# Altium PCB Fri3D_2020_00.PcbDoc (part 2 of 2)
Units mm, origin at the board's own origin, x right, y up, seen from the top; angles counter-clockwise.
Board outline 86 x 86 mm, 2 copper layers (Top Layer, Bottom Layer), stack 1.571 mm thick; 115 components, 82 nets, 498 pads, 254 vias.
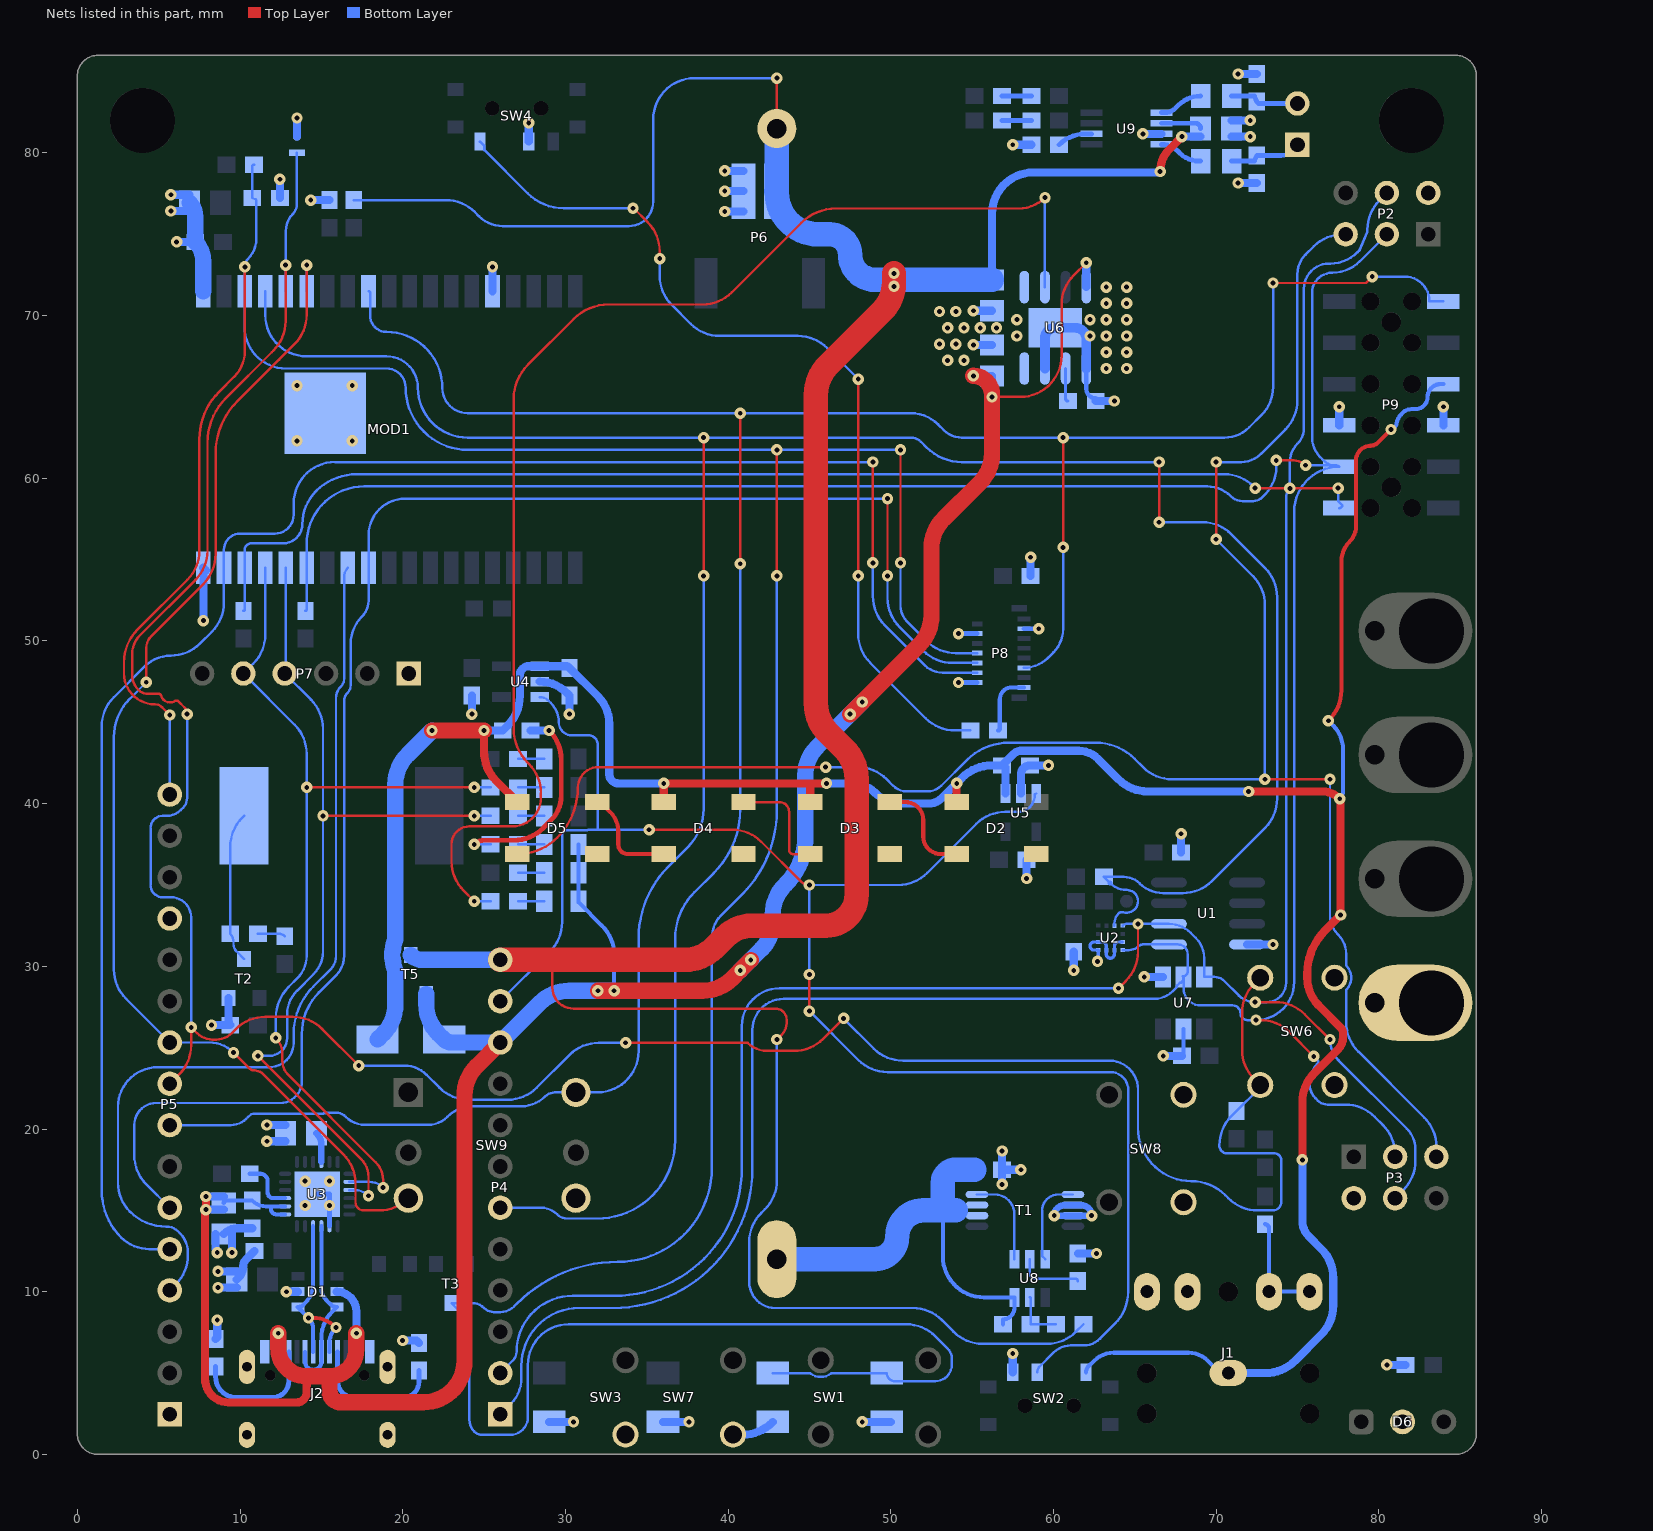
[diagram p2: the nets of this part, all layers, seen from the top]

## Via types
v1: diameter 0.7, hole 0.3, Top Layer to Bottom Layer, tented top, 254 vias

## Nets (pads, with @x,y where several pads share a name; then routed paths per layer and width w, separated by ;. In a path a pad name is that pad's centre, name@x,y a point inside that pad or via, vN(x,y) a via of type N, cw(c..) or ccw(c..) an arc to the next point about the centre after c; other vN are vias at no path point) (continued)
ESP.IO33: MOD1.9 P4.6 P8.11 P9.12 | length 155.7
  Top Layer w0.15: v1(40.75,54.75) v1(40.75,64) ; v1(60.6,55.75) v1(60.6,62.5) ; v1(73.5,72.006) 79.206,72.006 v1(79.6,72.4)
  Bottom Layer w0.15: MOD1.9@17.902,71.5 cw(c17.902,71.402) 18,71.402 18,70 ccw(c19,70) 19,69 cw(c19,65.567) 22.433,65.567 ccw(c24,65.567) 24,64 v1(40.75,64) 51.25,64 cw(c51.25,61.655) 52.908,63.313 53.261,62.961 ccw(c54.373,64.073) 54.373,62.5 v1(60.6,62.5) 70.5,62.5 ccw(c70.5,64.673) 72.036,63.136 72.79,63.89 ccw(c71.077,65.604) 73.5,65.604 73.5,72.037 v1(73.5,72.006) ; P4.6@26,15.16 28.51,15.16 cw(c28.51,13.76) 29.5,14.75 ccw(c30.104,15.354) 30.104,14.5 31.947,14.5 ; 31.948,14.5 ccw(c31.948,19.302) 36.75,19.302 36.75,31.698 cw(c40.79,31.698) 37.933,34.555 39.127,35.749 ccw(c35.21,39.666) 40.75,39.666 v1(40.75,54.75) ; P8.11@58.187,48.35 ccw(c58.187,50.432) 59.66,48.96 60,49.3 ccw(c58.551,50.749) 60.6,50.749 v1(60.6,55.75) ; v1(79.6,72.4) 81.583,72.4 cw(c81.583,70.87) 83.113,70.87 P9.12@83.97,70.87
ESP.IO34: MOD1.6 P5.10 SW9.3 | length 75.3
  Top Layer w0.15: v1(4.239,47.461) 4.239,49.587 cw(c5.21,49.587) 4.524,50.274 7.719,53.469 ccw(c5.837,55.353) 8.5,55.353 ; 8.5,55.354 8.5,61.546 ; 8.5,61.548 cw(c12.972,61.548) 9.81,64.71 12.4,67.3 13.356,68.256 ccw(c11.56,70.052) 14.1,70.052 v1(14.1,73.1) ; v1(9.6,24.7) 10.559,23.741 ccw(c10.9,24.083) 10.9,23.6 cw(c10.9,22.876) 11.412,23.388 16.356,18.444 cw(c14.56,16.648) 17.1,16.648 17.1,15.5 ccw(c17.6,15.5) 17.6,15 18.548,15 ccw(c18.548,17.54) 20.344,15.744 SW9.3@20.35,15.75
  Bottom Layer w0.15: v1(4.239,47.461) 3.22,46.441 ccw(c5.561,44.1) 2.25,44.1 2.25,29.802 ccw(c4.79,29.802) 2.994,28.006 P5.10@5.68,25.32 8.103,25.32 cw(c8.103,23.203) v1(9.6,24.7) ; MOD1.6@14.092,71.5 14.1,71.508 v1(14.1,73.1)
ESP.IO36: MOD1.4 P5.8 R6.2 SW9.6 U2.12 | length 175.9
  Top Layer w0.15: v1(38.5,54) v1(38.5,62.5) ; v1(66.5,57.3) v1(66.5,61)
  Bottom Layer w0.15: P5.8@5.68,20.24 9.438,20.24 ccw(c9.438,21.573) 10.38,20.63 10.499,20.749 cw(c11.104,20.146) 10.816,20.95 15.125,20.95 15.133,20.958 ccw(c15,22.05) 15.328,21 15.905,21 cw(c15.905,20.167) 16.494,20.756 16.5,20.75 ccw(c17.707,21.957) 17.707,20.25 21.543,20.25 ccw(c21.543,21.957) 22.75,20.75 22.756,20.756 cw(c24.311,19.201) 24.311,21.4 27.301,21.4 ccw(c27.301,23.449) 28.75,22 cw(c29.354,21.396) 29.354,22.25 SW9.6@30.65,22.25 31.96,22.25 ccw(c31.96,24.79) 34.5,24.79 34.5,31.698 cw(c40.79,31.698) 36.342,36.146 37.536,37.34 ccw(c35.21,39.666) 38.5,39.666 v1(38.5,54) ; MOD1.4@11.552,71.5 11.552,70.04 ccw(c14.092,70.04) 14.092,67.5 19,67.5 cw(c19,65.567) 20.933,65.567 ccw(c24,65.567) 24,62.5 v1(38.5,62.5) 51.25,62.5 cw(c51.25,61.655) 51.847,62.253 52.2,61.9 ccw(c54.373,64.073) 54.373,61 v1(66.5,61) ; U2.12@63.75,32.5 63.75,32.646 cw(c64.604,32.646) 64,33.25 64.003,33.253 cw(c64.216,33.041) 64.301,33.329 ccw(c64.5,34) 64.5,34.7 cw(c64.5,36.149) 63.476,35.124 R6.2@63.1,35.5 64.335,35.5 cw(c64.335,34.135) 65.3,35.1 ccw(c66.749,36.549) 66.749,34.5 67.948,34.5 ccw(c67.948,37.04) 69.744,35.244 73.006,38.506 ccw(c71.21,40.302) 73.75,40.302 73.75,52.698 ccw(c71.21,52.698) 73.006,54.494 70.944,56.556 ccw(c69.148,54.76) 69.148,57.3 v1(66.5,57.3)
ESP.IO39: MOD1.5 P1.2 P5.9 R1.2 SW6.1 | length 165.7
  Top Layer w0.15: P5.9@5.68,22.78 6.256,23.356 ccw(c4.46,25.152) 7,25.152 v1(7,26.25) 7.361,25.889 ccw(c8.3,26.828) 8.3,25.5 8.534,25.5 ccw(c8.534,26.866) 9.5,25.9 9.756,26.156 cw(c11.552,24.36) 11.552,26.9 13.248,26.9 cw(c13.248,24.36) 15.044,26.156 v1(17.3,23.9) ; v1(6.75,45.5) ccw(c6.146,45.5) 6.573,45.927 6.25,46.25 ccw(c5.043,45.043) 6.196,46.302 ccw(c6.094,46.192) 6.013,46.317 cw(c5.7,46.8) 5.146,46.646 ccw(c5.001,46.606) 5.043,46.75 4.354,46.75 cw(c4.354,47.604) 3.75,47 cw(c4.671,47.921) 3.369,47.921 3.369,47.985 3.369,49.183 cw(c5.024,49.183) 3.854,50.354 7.256,53.756 ccw(c5.46,55.552) 8,55.552 8,62.187 ; 8,62.188 cw(c11.892,62.188) 9.14,64.94 11.95,67.75 12.056,67.856 ccw(c10.26,69.652) 12.8,69.652 v1(12.8,73.1) ; v1(33.7,25.3) 41.2,25.3 ccw(c42.407,26.507) 42.407,24.8 44.048,24.8 ccw(c44.048,27.34) 45.844,25.544 v1(47.1,26.8) ; SW6.1@72.714,22.698 72.344,23.068 cw(c74.14,24.864) 71.6,24.864 71.6,27.136 cw(c74.14,27.136) 72.344,28.932 SW6.1@72.714,29.302
  Bottom Layer w0.15: v1(6.75,45.5) 6.75,40.354 cw(c5.896,40.354) 6.5,39.75 6.354,39.604 cw(c5.5,40.457) 5.5,39.25 5.25,39.25 ccw(c5.25,38.5) 4.5,38.5 4.5,35 ccw(c5.25,35) 5.25,34.25 5.75,34.25 cw(c5.75,33) 7,33 v1(7,26.25) ; MOD1.5@12.822,71.5 12.822,75.222 cw(c14.271,75.222) 13.246,76.246 13.25,76.25 ccw(c12.646,76.854) 13.5,76.854 P1.2@13.5,80 ; v1(17.3,23.9) 20.1,23.9 cw(c20.1,21.969) 21.466,23.334 22.256,22.544 ccw(c24.052,24.34) 24.052,21.8 26.448,21.8 ccw(c26.448,24.34) 28.244,22.544 30.256,24.556 cw(c32.052,22.76) 32.052,25.3 v1(33.7,25.3) ; v1(47.1,26.8) 48.956,24.944 ccw(c50.752,26.74) 50.752,24.2 63.445,24.2 cw(c63.445,22.445) 65.2,22.445 65.2,20.073 ccw(c68.473,20.073) 68.472,16.8 ; 68.473,16.8 cw(c68.473,13.837) 70.568,15.932 70.569,15.931 70.756,15.744 ccw(c72.552,17.54) 72.552,15 73.5,15 ccw(c73.5,15.5) 74,15.5 74,18.1 ccw(c73.6,18.1) 73.6,18.5 70.7,18.5 cw(c70.7,19) 70.2,19 cw(c72.735,19) 70.942,20.792 R1.2@71.25,21.1 72.619,22.469 ccw(c72.391,22.698) SW6.1@72.714,22.698
ESP.RESET: C5.1 MOD1.3 P5.16 P8.8 R13.2 SW1.1 T3.3 | length 229.3
  Top Layer w0.15: 2.869,48.006 ccw(c4.775,48.009) 4.776,46.103 cw(c4.775,45.491) 5.208,45.924 v1(5.68,45.452) ; 2.869,48.007 2.869,48.688 cw(c5.719,48.688) 3.704,50.704 6.761,53.761 ccw(c4.98,55.544) 7.5,55.544 7.5,62.398 ; 7.5,62.399 cw(c11.605,62.399) 8.702,65.302 9.65,66.25 ccw(c8.081,67.819) 10.3,67.819 v1(10.3,73) ; v1(43,54) v1(43,61.75) ; v1(50.6,54.8) v1(50.6,61.75)
  Bottom Layer w0.15: P5.16@5.68,40.56 v1(5.68,45.452) cw(c5.748,45.452) v1@5.7,45.5 ; R13.2@10.87,79.281 ccw(c10.87,79.161) 10.75,79.161 C5.1@10.75,77.229 10.957,77.143 11,77.088 cw(c10.924,77.081) 11,77.081 11,74.707 cw(c9.293,74.707) 10.5,73.5 ccw(c11.026,72.974) 10.282,72.974 MOD1.3@10.282,71.5 10.282,69.29 ccw(c12.822,69.29) 12.822,66.75 19,66.75 cw(c19,65.567) 20.183,65.567 ccw(c24,65.567) 24,61.75 v1(43,61.75) v1(50.6,61.75) ; SW1.1@42.75,5 44.987,5 cw(c44.988,4.85) 45.078,4.969 ccw(c45.698,5.786) 46.318,4.969 cw(c46.408,4.85) 46.409,5 SW1.1@49.75,5 ccw(c50.25,5) 50.25,4.5 52.75,4.5 ccw(c52.75,5.5) 53.75,5.5 53.75,5.896 ccw(c52.896,5.896) 53.5,6.5 52.744,7.256 ccw(c50.948,5.46) 50.948,8 30.199,8 ccw(c30.199,5.501) 27.7,5.501 27.7,2.3 cw(c26.6,2.3) 26.6,1.2 24.883,1.2 cw(c24.883,1.883) 24.4,1.4 cw(c25.124,2.124) 24.1,2.124 24.1,7.148 ccw(c21.56,7.148) 23.356,8.944 T3.3@23,9.3 24.276,9.3 cw(c24.276,8.276) 25,9 ccw(c25.604,9.604) 25.604,8.75 26,8.75 ccw(c26,9.957) 26.854,9.104 27.005,9.255 cw(c33.228,3.034) 33.228,11.833 ccw(c33.228,17.605) 39,17.605 39,31.75 cw(c40.957,31.75) 39.573,33.134 40.857,34.418 ccw(c35.685,39.59) 43,39.59 v1(43,54) ; v1(50.6,54.8) 50.6,52.166 ccw(c51.966,52.166) 51,51.2 52.206,49.994 ccw(c54.002,51.79) 54.002,49.25 P8.8@55.312,49.25
ESP.RXD0: MOD1.34 P7.4 R20.2 U3.21 | length 55.9
  Top Layer w0.15: v1(11.1,24.5) 17.439,18.161 cw(c16.326,17.048) 17.9,17.048 v1(17.9,15.9) ; v1(15.1,39.25) v1(24.4,39.25)
  Bottom Layer w0.15: v1(11.1,24.5) 11.8,24.5 ccw(c11.8,25.6) 12.9,25.6 12.9,27.06 cw(c14.928,27.06) 13.494,28.494 14.533,29.533 ccw(c13.164,30.902) 15.1,30.902 v1(15.1,39.25) 15.1,44.598 ccw(c12.56,44.598) 14.356,46.394 P7.4@12.75,48 ccw(c12.576,48.174) 12.822,48.174 MOD1.34@12.822,54.5 ; U3.21@16.725,16.25 17.055,16.25 cw(c17.055,15.055) v1(17.9,15.9) ; v1(24.4,39.25) R20.2@25.4,39.25
ESP.TXD0: MOD1.35 P7.5 R19.2 U3.20 | length 56.7
  Top Layer w0.15: v1(12.2,25.6) cw(c11.234,24.634) 12.6,24.634 12.6,24.195 ccw(c13.795,24.195) 12.95,23.35 18.339,17.961 cw(c17.226,16.848) 18.8,16.848 v1(18.8,16.4) ; v1(14.1,41) v1(24.4,41)
  Bottom Layer w0.15: MOD1.35@11.552,54.5 11.552,50.394 cw(c9.012,50.394) 10.808,48.598 P7.5@10.21,48 13.356,44.854 cw(c11.56,43.058) 14.1,43.058 v1(14.1,41) 14.1,30.652 cw(c12.164,30.652) 13.533,29.283 12.994,28.744 ccw(c14.911,26.827) 12.2,26.827 v1@12.2,25.58 ; U3.20@16.725,16.75 17.955,16.75 cw(c17.955,15.555) v1(18.8,16.4) ; v1(24.4,41) R19.2@25.4,41
GBAT: BAT1.2 C21.2 R27.1 T1.2 T1.3 U8.6 | length 27.5
  Bottom Layer w0.25: 53.2,15 53.2,12.19 ccw(c55.74,12.19) 55.74,9.65 U8.6@57.6,9.65 57.6,9 cw(c56.9,9) 56.9,8.3 C21.2@56.9,8
  Bottom Layer w1.5: BAT1.2@43,12 49,12 ccw(c49,13.4) 50.4,13.4 cw(c52,13.4) 52,15 53.2,15 ; 54,15 53.2,15 ; R27.1@55.15,17.5 54,17.5 ccw(c54,16.7) 53.2,16.7 53.2,15
GND: C1.2 C2.2 C3.2 C4.2 C5.2 C6.2 C7.2 C8.2 C9.1 C10.2 C11.1 C12.2 C13.2 C14.2 C15.2 C16.2 C17.2 C18.1 C19.2 C20.2 C24.2 C25.2 C26.2 C27.2 D1.2 D2.3 D3.3 D4.3 D5.3 D6.2 J1.2 J1.4 J2.A1 J2.A12 J2.B1 J2.B12 J2.MH1 J2.MH2 J2.MH3 J2.MH4 MOD1.1 MOD1.15 MOD1.38 MOD1.39 P1.1 P2.2 P3.2 P5.1 P5.13 P6.2 P7.1 P8.3 P8.4 P8.14 P9.5 P9.6 pad.4 R4.2 R5.2 R11.2 R21.2 R22.2 R23.2 R26.2 R27.2 SW1.2 SW2.3 SW3.2 SW4.2 SW6.2 SW7.2 SW8.2 SW9.4 T1.6 T1.7 T2.2 TP4.1 U1.4 U2.3 U2.5 U2.6 U2.7 U2.8 U3.2 U3.25 U4.2 U5.2 U6.1 U6.3 U6.9 U7.1 U7.5 U9.7 | length 122.3
  Top Layer w0.3: v1(24.4,37.5) cw(c25.004,36.896) 25.004,37.75 26.831,37.75 ccw(c26.831,40.29) 28.627,38.494 29.133,39 ccw(c27.643,40.49) 29.75,40.49 29.75,42.698 ccw(c27.21,42.698) 29.006,44.494 v1(29,44.5)
  Bottom Layer w0.15: v1(24.4,37.5) R21.2@25.4,37.5
  Bottom Layer w0.2: v1(62.713,30.307) 62.713,30.287 ccw(c62.75,30.287) 62.75,30.25 U2.7@62.75,31 62.5,31 cw(c62.5,31.25) 62.25,31.25 cw(c62.5,31.25) 62.5,31.5 63,31.5 cw(c63,31.25) 63.25,31.25 U2.6@63.25,31 63.25,30.75 ccw(c63.5,30.75) 63.5,30.5 ccw(c63.5,30.75) 63.75,30.75 U2.5@63.75,31 63.75,31.25 cw(c64,31.25) 64,31.5 U2.3@64.25,31.5
  Bottom Layer w0.25: U6.1@62.02,66.75 62.02,65.5 ccw(c62.6,65.5) 62.6,64.92 R23.2@62.6,64.75 ; C19.2@67.9,24.5 ccw(c67.659,24.741) 68,24.741 U7.5@68,26.15
  Bottom Layer w0.3: U3.25@14.75,16 15.5,16 v1(15.5,15.3) U3.2@15.5,14.025 ; v1(54.163,47.45) P8.14@55.312,47.45 ; v1(54.163,50.45) P8.4@55.312,50.45 ; P8.3@58.187,50.75 v1(59.1,50.75)
  Bottom Layer w0.4: v1(60.05,14.675) cw(c60.7,14.675) 60.7,15.325 T1.6@61.2,15.325 61.7,15.325 cw(c61.7,14.675) v1(62.35,14.675) T1.7@61.2,14.675 v1(60.05,14.675)
  Bottom Layer w0.5: v1(5.75,76.431) C7.2@6.9,76.431 ; v1(5.75,77.431) C7.2@6.9,77.431 ; v1(6.1,74.531) C6.2@7.25,74.531 ; MOD1.38@7.742,54.5 7.9,54.342 7.75,54.192 v1(7.75,51.25) ; v1(8.25,26.385) R11.2@9.4,26.385 ; R5.2@8.5,7.1 8.6,7.2 v1(8.6,8.25) ; C9.1@8.5,13.55 8.5,12.7 ccw(c9,12.7) v1(8.6,12.4) ; v1(8.65,10.25) C11.1@9.8,10.25 ; v1(8.65,11.25) C11.1@9.8,11.25 ; C9.1@9,13.55 cw(c9.845,12.705) 9.845,13.9 C8.2@10.75,13.9 ; T2.2@9.3,28.05 9.3,26.626 ccw(c9.641,26.626) R11.2@9.4,26.385 ; v1(9.5,12.4) C9.1@9.5,13.55 ; C11.1@9.8,10.75 9.882,10.832 ccw(c9.114,11.6) 10.2,11.6 cw(c10.682,11.6) 10.341,11.941 C10.2@10.9,12.5 ; v1(11.65,19.25) C18.1@12.8,19.25 ; v1(11.65,20.25) C18.1@12.8,20.25 ; C5.2@12.45,77.229 v1(12.45,78.379) ; v1(12.85,10) D1.2@13.55,10 ; P1.1@13.5,81 v1(13.5,82.15) ; v1(14.35,77.1) R22.2@15.5,77.1 ; v1(20,7) 20.85,7 R4.2@21,6.85 ; v1(24.25,45.5) C13.2@24.25,46.65 ; MOD1.15@25.522,71.5 v1(25.522,73) ; SW4.2@27.75,80.7 v1(27.75,81.85) ; C20.2@27.85,44.5 v1(29,44.5) ; U4.2@28.425,47.5 cw(c28.425,45.146) 30.09,46.81 C12.2@30.25,46.65 v1(30.25,45.5) ; SW3.2@29,2 v1(30.5,2) ; SW3.2@36,2 v1(37.6,2) ; v1(39.8,76.4) P6.2@40.95,76.4 ; v1(39.8,77.65) P6.2@40.95,77.65 ; v1(39.8,78.9) P6.2@40.95,78.9 ; SW7.2@40.302,1.214 40.912,1.214 ccw(c40.912,3.754) 42.708,1.958 SW1.2@42.75,2 ; v1(48.25,2) SW1.2@50,2 ; v1(55.077,68.199) C16.2@56.227,68.199 ; v1(55.077,70.299) C17.2@56.227,70.299 ; v1(56.85,16.6) R27.2@56.85,17.5 ; v1(56.85,18.65) R27.2@56.85,17.5 ; SW2.3@57.5,5.05 v1(57.5,6.2) ; v1(57.5,80.5) C27.2@58.65,80.5 ; v1(58,17.5) R27.2@56.85,17.5 ; U5.2@58,40.625 58,41.8 cw(c58.55,41.8) C14.2@58.55,42.35 v1(59.7,42.35) ; v1(58.35,35.4) C15.2@58.35,36.55 ; C3.2@58.6,54 v1(58.6,55.15) ; v1(61.25,29.75) C2.2@61.25,30.9 ; R26.2@61.5,12.35 v1(62.65,12.35) ; R23.2@62.6,64.75 v1(63.75,64.75) ; v1(65.5,81.175) U9.7@66.65,81.175 ; v1(65.58,29.35) U7.1@66.73,29.35 ; v1(66.75,24.5) C19.2@67.9,24.5 ; C1.2@67.85,37 v1(67.85,38.15) ; C26.2@70.95,81 v1(72.1,81) ; C26.2@70.95,82 v1(72.1,82) ; v1(71.35,78.15) C25.2@72.5,78.15 ; v1(71.35,84.85) C24.2@72.5,84.85 ; U1.4@71.9,31.345 v1(73.5,31.345) ; P9.5@77.57,63.25 v1(77.57,64.4) ; v1(80.5,5.5) C4.2@81.65,5.5 ; P9.6@83.97,63.25 v1(83.97,64.4)
  Bottom Layer w0.6: U6.3@59.48,66.75 59.48,68.615 cw(c60.115,68.615) U6.9@60.115,69.25 61.35,69.25 cw(c61.35,68.58) 62.02,68.58 U6.1@62.02,66.75
  Bottom Layer w1: C7.2@6.9,76.931 cw(c6.055,76.086) 7.25,76.086 C6.2@7.25,74.531 cw(c6.063,73.344) 7.742,73.344 MOD1.1@7.742,71.5
  other v1: 14,15.3 14,16.8 15.5,16.8 13.5,62.3 16.9,62.3 13.5,65.7 16.9,65.7 63.25,66.75 64.5,66.75 53.5,67.25 54.5,67.25 63.25,67.75 64.5,67.75 53,68.25 54,68.25 57.75,68.75 62.25,68.75 63.25,68.75 64.5,68.75 53.5,69.25 54.5,69.25 55.5,69.25 56.5,69.25 57.75,69.75 62.25,69.75 63.25,69.75 64.5,69.75 53,70.25 54,70.25 63.25,70.75 64.5,70.75 63.25,71.75 64.5,71.75
I2C.SCL: MOD1.36 P2.4 P3.4 P4.2 P9.1 R15.2 U1.6 U2.1 U7.3 | length 217.5
  Top Layer w0.15: v1(64,28.654) 64.456,29.11 ccw(c62.66,30.906) 65.2,30.906 v1(65.2,32.6) ; v1(72.4,27.8) 73.648,27.8 cw(c73.648,25.26) 75.444,27.056 v1(77,25.5) ; v1@72.422,59.4 74.517,59.4 v1(74.536,59.381) ; v1@74.536,59.4 v1(77.5,59.4)
  Bottom Layer w0.15: R15.2@10.21,51.85 ccw(c10.21,51.922) 10.282,51.922 MOD1.36@10.282,54.5 10.282,55.582 cw(c10.7,55.582) 10.7,56 12.654,56 ccw(c12.654,57.178) 13.832,57.177 cw(c16.714,57.178) 14.676,59.216 cw(c17.173,56.719) 17.173,60.25 17.9,60.25 70.498,60.25 cw(c70.498,57.71) 72.294,59.506 v1(72.4,59.4) ; P4.2@26,5 26.788,5.788 ccw(c26.276,6.3) 27,6.3 cw(c30.45,6.3) 30.45,9.75 32.989,9.75 ccw(c32.989,17.611) 40.85,17.611 40.85,26.337 cw(c43.167,26.337) 43.167,28.654 v1(64,28.654) ; U2.1@64.25,32.5 cw(c64.528,32.222) 64.528,32.615 U1.6@67.1,32.615 cw(c67.1,30.72) 68.44,32.06 68.75,31.75 cw(c67.495,30.495) 69.27,30.495 U7.3@69.27,29.35 69.896,29.35 cw(c69.896,28.496) 70.5,29.1 71.4,28.2 ccw(c72.366,29.166) 72.366,27.8 v1(72.4,27.8) 73.1,27.8 ccw(c73.1,29) 74.3,29 74.3,29.3 74.3,58.4 74.3,58.81 cw(c75.107,58.81) v1(74.536,59.381) 74.536,61.005 cw(c76.119,61.005) 75,62.124 ccw(c74.034,63.09) 75.4,63.09 75.4,71.65 cw(c76.95,71.65) 76.95,73.2 77.01,73.2 ccw(c77.01,75.59) 78.7,73.9 78.804,74.004 ; v1(77,25.5) ccw(c78.811,25.5) 77.53,24.22 81.72,20.03 cw(c80.439,18.75) 82.25,18.75 82.25,18.052 cw(c79.71,18.052) 81.506,16.256 P3.4@81,15.75 ; v1(77.5,59.4) 77.5,58.6 77.75,58.35 cw(c77.57,58.35) P9.1@77.57,58.17 ; 78.805,74.005 ccw(c78.698,74.11) 78.836,74.053 79.288,75.142 ccw(c79.15,75.2) 79.3,75.2 79.3,75.288 cw(c81.84,75.288) 80.044,77.084 P2.4@80.5,77.54
I2C.SDA: MOD1.33 P2.3 P3.3 P4.1 P9.3 R14.2 U1.5 U2.4 U7.2 | length 214
  Top Layer w0.15: v1(72.455,26.7) 72.718,26.7 cw(c72.718,24.16) 74.514,25.956 v1(76.005,24.465) ; v1(73.7,61.1) 74.776,61.1 cw(c74.776,60.076) v1(75.5,60.8)
  Bottom Layer w0.15: R14.2@14.02,51.85 ccw(c14.02,51.922) 14.092,51.922 MOD1.33@14.092,54.5 14.092,55.96 cw(c17.632,55.96) 17.632,59.5 69.451,59.5 cw(c69.451,57.451) 70.9,58.9 ccw(c71.624,59.624) 71.624,58.6 72.3,58.6 ccw(c72.3,59.324) 72.812,58.812 73,59 ccw(c71.31,60.69) 73.7,60.69 v1(73.7,61.1) ; P4.1@26,2.46 26.647,3.107 ccw(c25.072,4.683) 27.3,4.683 27.3,5.454 cw(c30.846,5.454) 30.846,9 32.924,9 ccw(c32.924,17.576) 41.5,17.576 41.5,26.086 cw(c43.414,26.086) 43.414,28 66.193,28 ccw(c66.193,29.622) 67.34,28.475 67.575,28.71 67.575,28.79 67.769,28.984 67.848,28.984 ccw(c67.482,29.35) U7.2@68,29.35 68,28.656 ccw(c69.056,28.656) 69.056,27.6 71,27.6 cw(c71,27.1) 71.5,27.1 ccw(c71.9,27.1) 71.9,26.7 v1(72.455,26.7) ccw(c72.455,29.045) 74.8,29.045 74.8,57.94 cw(c77.57,57.94) P9.3@77.57,60.71 ; U2.4@64.25,31 64.646,31 ccw(c64.646,31.854) 65.25,31.25 cw(c65.479,31.021) 65.479,31.345 U1.5@67.1,31.345 67.655,31.345 cw(c67.655,30.75) 68.25,30.75 68.25,29.681 cw(c67.96,29.681) U7.2@67.96,29.39 ; v1(75.5,60.8) P9.3@77.076,60.8 ; v1(76.005,24.465) 76.23,24.24 cw(c76.125,24.133) 76.237,24.034 ccw(c77.685,22.75) 75.75,22.75 ccw(c76.957,22.75) 76.104,21.896 76.25,21.75 ccw(c76.854,22.354) 76.854,21.5 77.948,21.5 cw(c77.948,18.96) 79.744,20.756 80.256,20.244 cw(c78.46,18.448) 81,18.448 P3.3@81,18.29 ; P2.3@80.5,75 78.844,73.344 cw(c77.137,75.051) 77.138,72.637 ccw(c77.137,71.4) 75.9,71.4 75.9,62.507 ccw(c77.607,62.507) 76.4,61.3 76.58,61.12 ccw(c77.57,62.11) P9.3@77.076,60.8 ; P9.3@77.076,60.8 ccw(c77.57,62.11) P9.3@77.57,60.71 ; P9.3@77.076,60.8 77.353,60.8 cw(c77.353,60.493) P9.3@77.57,60.71
LCD.BL: R28.2 SW4.1 | length 56.4
  Top Layer w0.15: v1(34.16,76.6) 34.2,76.6 35.056,75.744 cw(c33.26,73.948) 35.8,73.948 v1(35.8,73.5) ; v1(48,54) v1(48,66.1)
  Bottom Layer w0.15: SW4.1@24.75,80.7 25.025,80.425 25.025,80.175 27.679,77.521 ccw(c29.902,79.744) 29.902,76.6 v1(34.16,76.6) ; v1(35.8,73.5) 35.8,72.452 ccw(c38.34,72.452) 36.544,70.656 37.706,69.494 ccw(c39.502,71.29) 39.502,68.75 44.298,68.75 cw(c44.298,66.21) 46.094,68.006 v1(48,66.1) ; v1(48,54) 48,50.452 ccw(c50.54,50.452) 48.744,48.656 52.156,45.244 ccw(c53.952,47.04) 53.952,44.5 R28.2@54.9,44.5
LED.DOUT: D5.2 P2.5 P3.5 | length 120.6
  Top Layer w0.15: D5.2@27.05,36.9 ccw(c27.05,40.365) 29.499,37.914 ccw(c26.452,40.962) 30.762,40.962 cw(c32.05,40.962) 32.05,42.25 v1(46,42.25) ; v1(70,56.25) v1(70,61) ; v1(73,41.5) v1(77,41.5)
  Bottom Layer w0.15: v1(46,42.25) 47.948,42.25 cw(c47.948,39.71) 49.744,41.506 50.147,41.103 ccw(c51,41.957) 51,40.75 52.25,40.75 ccw(c52.25,41.957) 53.103,41.103 54.683,42.683 cw(c57.259,40.106) 57.259,43.75 62.586,43.75 cw(c62.586,40.336) 65,42.75 65.506,42.244 ccw(c67.302,44.04) 67.302,41.5 v1(73,41.5) 73,52.198 ccw(c70.46,52.198) 72.256,53.994 v1(70,56.25) ; v1(70,61) 71.543,61 ccw(c71.543,62.707) 72.75,61.5 74.256,63.006 ccw(c72.46,64.802) 75,64.802 75,72.543 cw(c76.707,72.543) 75.5,73.75 76.006,74.256 cw(c77.802,72.46) 77.802,75 P2.5@77.96,75 ; 77,33.14 ccw(c78.663,33.14) 77.486,31.965 77.493,31.958 cw(c76.269,30.734) 78,30.734 78,30.098 ccw(c78.15,30.098) 78.04,29.997 cw(c77.286,29.302) 78.04,28.607 ccw(c78.15,28.506) 78,28.506 78,26.552 ccw(c80.54,26.552) 78.744,24.756 82.796,20.704 cw(c81,18.908) 83.54,18.908 P3.5@83.54,18.29 ; 77,33.141 v1(77,41.5)
NetBUZ1_2: BUZ1.2 R10.1 T2.3 | length 9.3
  Bottom Layer w0.15: T2.3@10.25,30.45 9.774,30.926 9.773,30.927 cw(c10.192,31.345) 9.6,31.345 9.6,31.517 ccw(c8.917,31.517) R10.1@9.4,32 9.4,37.348 cw(c11.94,37.348) 10.144,39.144 BUZ1.2@10.25,39.25
NetC21_1: C21.1 R8.2 U8.5 | length 3.2
  Bottom Layer w0.15: U8.5@58.55,9.65 cw(c58.55,9.6) 58.6,9.6 C21.1@58.6,8 R8.2@60.15,8
NetC22_1: C22.1 R29.1 | length 1.8
  Bottom Layer w0.3: C22.1@56.85,83.5 R29.1@58.65,83.5
NetC23_1: C23.1 R30.1 | length 1.8
  Bottom Layer w0.3: C23.1@56.85,82 R30.1@58.65,82
NetC27_1: C27.1 U9.2 | length 2.2
  Bottom Layer w0.3: C27.1@60.35,80.5 cw(c61.98,78.87) 61.98,81.175 U9.2@62.35,81.175
NetD2_2: D2.2 D3.4 | length 6.4
  Top Layer w0.25: D3.4@49.95,40.1 50.9,40.1 cw(c50.9,39) 52,39 52,37.988 ccw(c53.088,37.988) 53.088,36.9 D2.2@54.05,36.9
NetD3_2: D3.2 D4.4 | length 6.9
  Top Layer w0.15: D4.4@40.95,40.1 43.15,40.1 cw(c43.15,39.5) 43.75,39.5 43.75,37.15 ccw(c44,37.15) 44,36.9 D3.2@45.05,36.9
NetD4_2: D4.2 D5.4 | length 6.3
  Top Layer w0.25: D5.4@31.95,40.1 cw(c31.95,39.617) 32.291,39.959 32.75,39.5 cw(c31.543,38.293) 33.25,38.293 33.25,37.5 ccw(c33.85,37.5) 33.85,36.9 D4.2@36.05,36.9
NetD11_2: D11.2 R18.1 | length 1.6
  Bottom Layer w0.15: R18.1@27.1,42.75 D11.2@28.7,42.75
NetD12_2: D12.2 R19.1 | length 1.6
  Bottom Layer w0.15: R19.1@27.1,41 D12.2@28.7,41
NetD13_2: D13.2 R20.1 | length 1.6
  Bottom Layer w0.15: R20.1@27.1,39.25 D13.2@28.7,39.25
NetD14_2: D14.2 R21.1 | length 1.6
  Bottom Layer w0.15: R21.1@27.1,37.5 D14.2@28.7,37.5
NetD15_2: D15.2 R24.1 | length 1.6
  Bottom Layer w0.15: R24.1@27.1,34 D15.2@28.7,34
NetD16_2: D16.2 R25.1 | length 1.6
  Bottom Layer w0.15: R25.1@27.1,35.75 D16.2@28.7,35.75
NetJ1_3: J1.3 J1.5 R3.2 | length 6.8
  Bottom Layer w0.25: R3.2@73,14.15 cw(c73,13.9) 73.25,13.9 J1.5@73.25,10 J1.3@75.75,10
NetJ2_A5: J2.A5 R4.1 | length 8.6
  Bottom Layer w0.3: J2.A5@16,6.298 16,4.5 ccw(c17,4.5) 17,3.5 20.03,3.5 ccw(c20.03,4.47) 21,4.47 R4.1@21,5.15